# Altium PCB Power Board.PcbDoc (part 1 of 3)
Units mm, origin at the board's own origin, x right, y up, seen from the top; angles counter-clockwise.
Board outline 181.1 x 196.98 mm, 4 copper layers (Top Layer, Int1 (GND), Int2, Bottom Layer), stack 1.369 mm thick; 399 components, 209 nets, 1103 pads, 545 vias.
Unrouted connection lines stored in the file: 26.
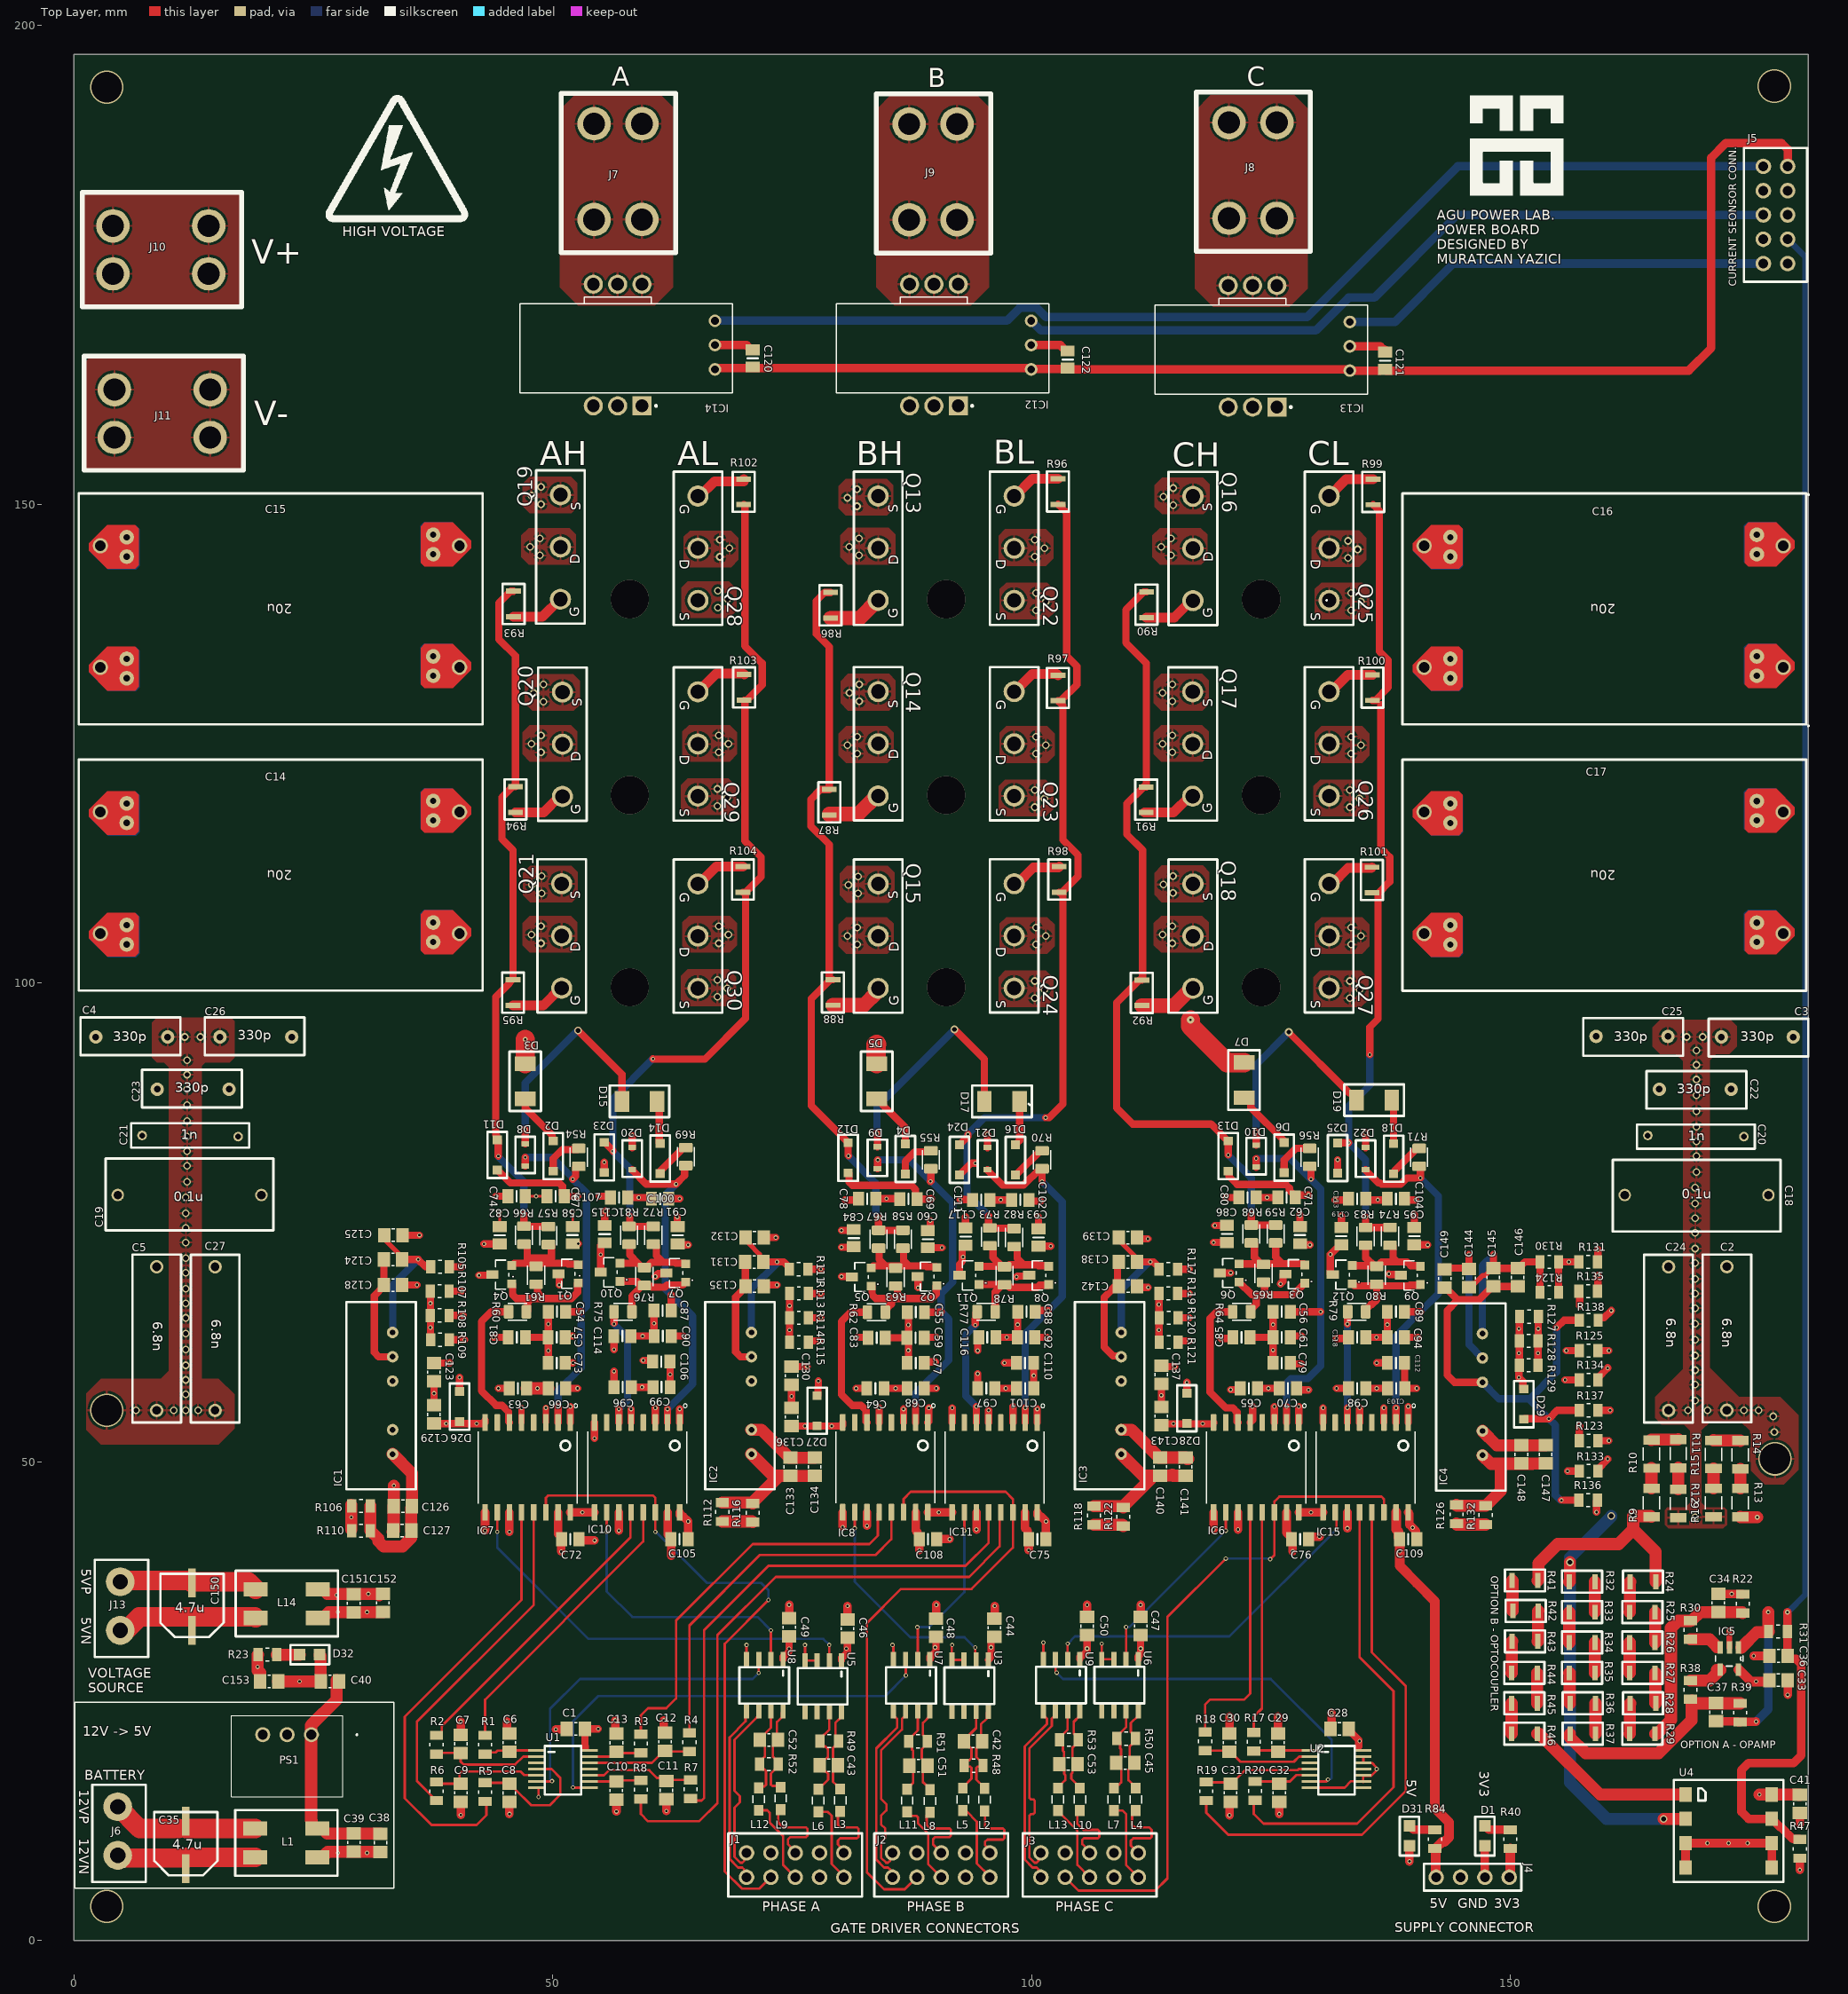
[diagram p0: Top Layer view]
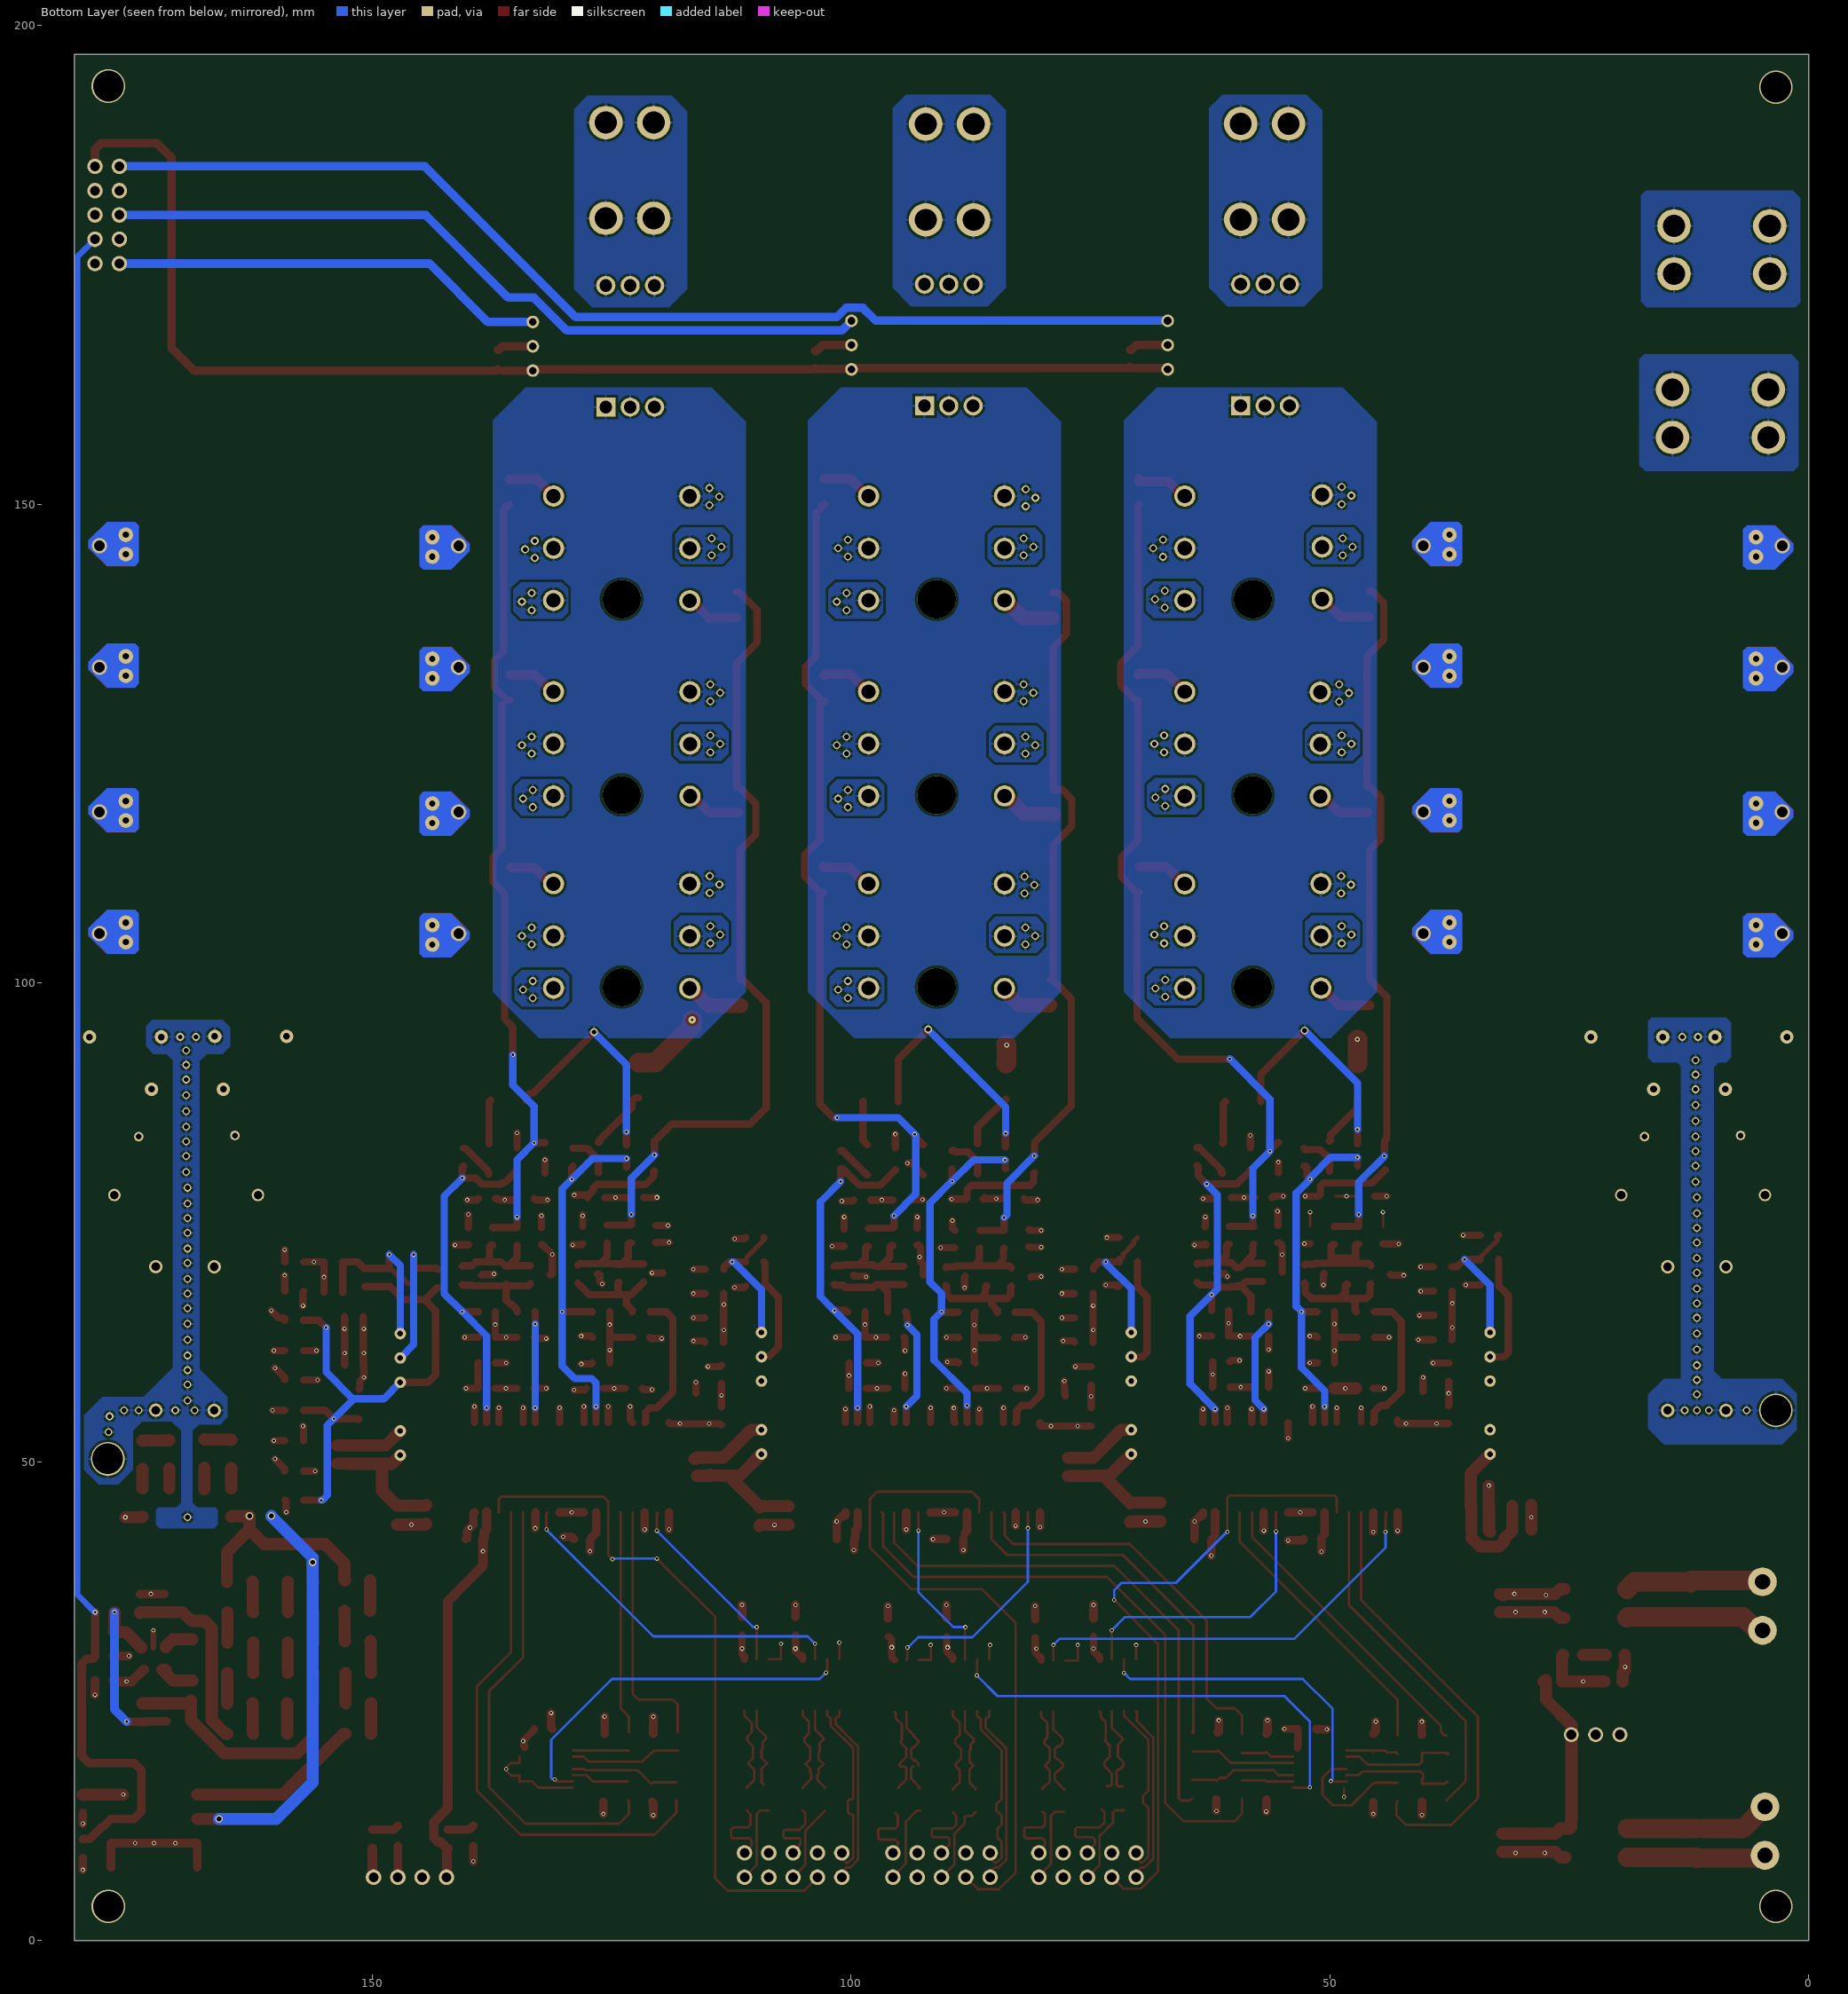
[diagram p1: Bottom Layer view, seen from below]
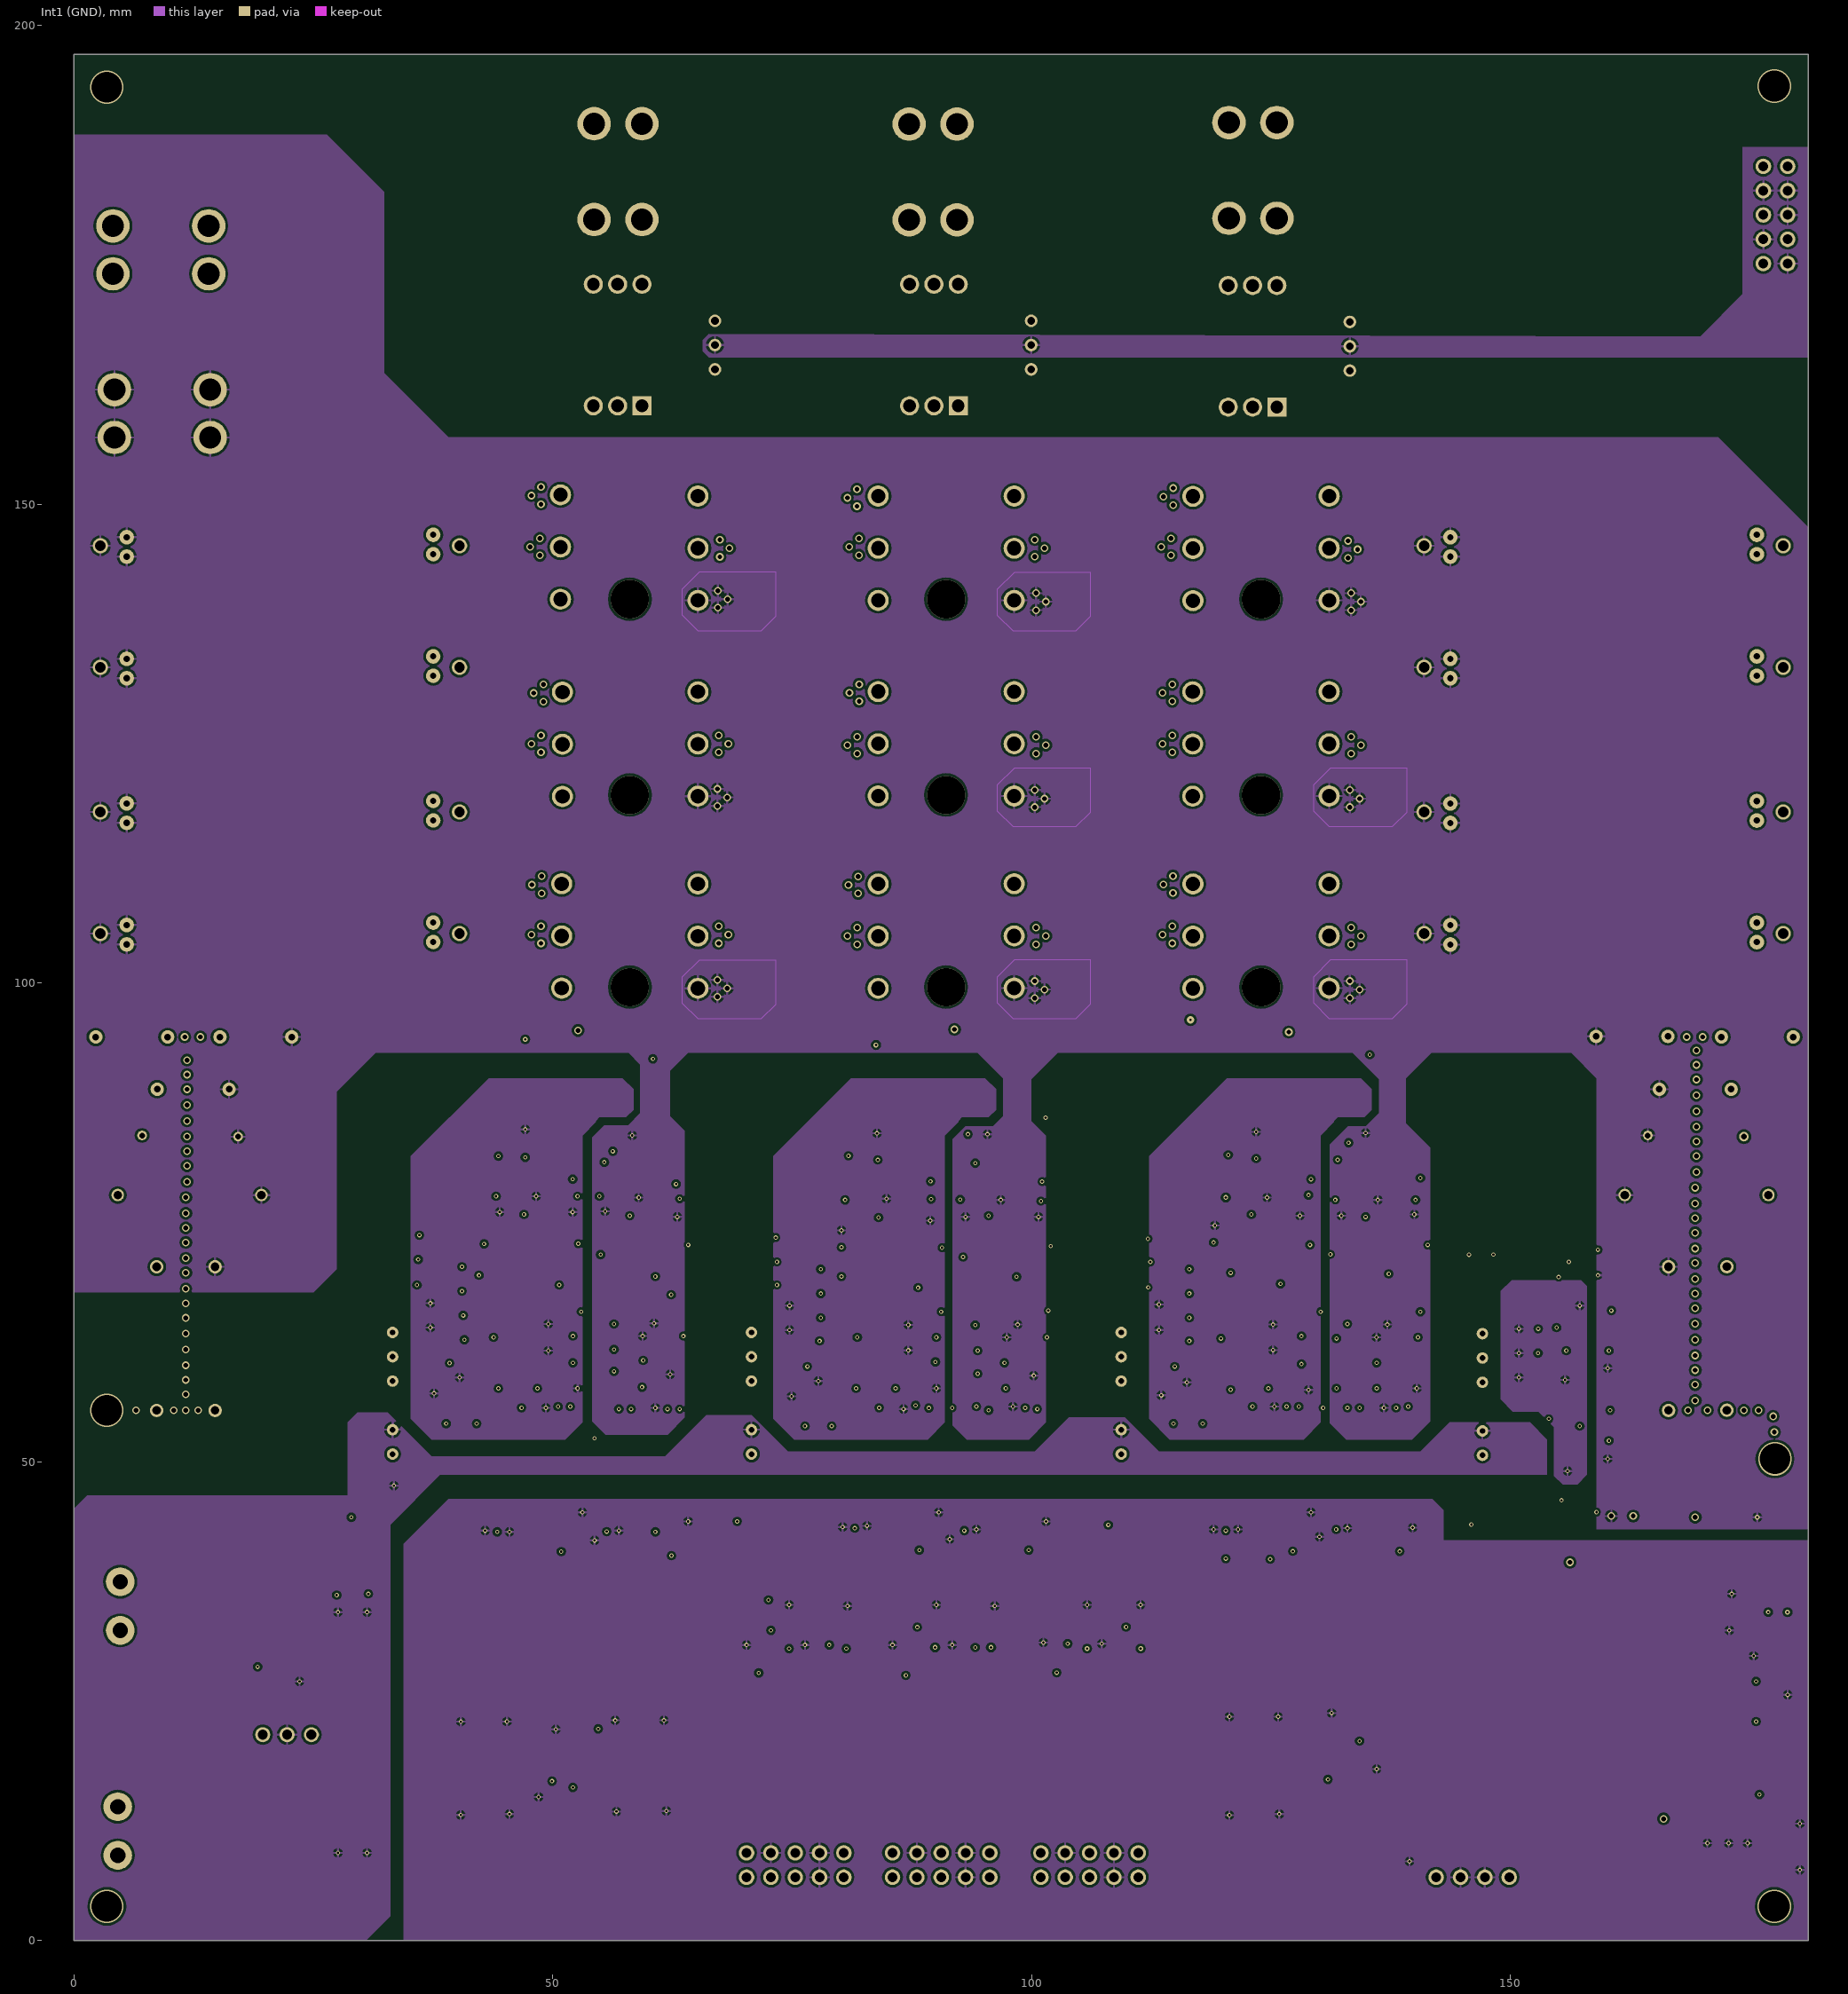
[diagram p2: Int1 (GND)]